# Altium PCB PCB.PcbDoc
Units mil, origin at the board's own origin, x right, y up, seen from the top; angles counter-clockwise.
Board outline 3105.66 x 1895.31 mil, 2 copper layers (Top Layer, Bottom Layer); 73 components, 42 nets, 191 pads, 114 vias.
Unrouted connection lines stored in the file: 1.
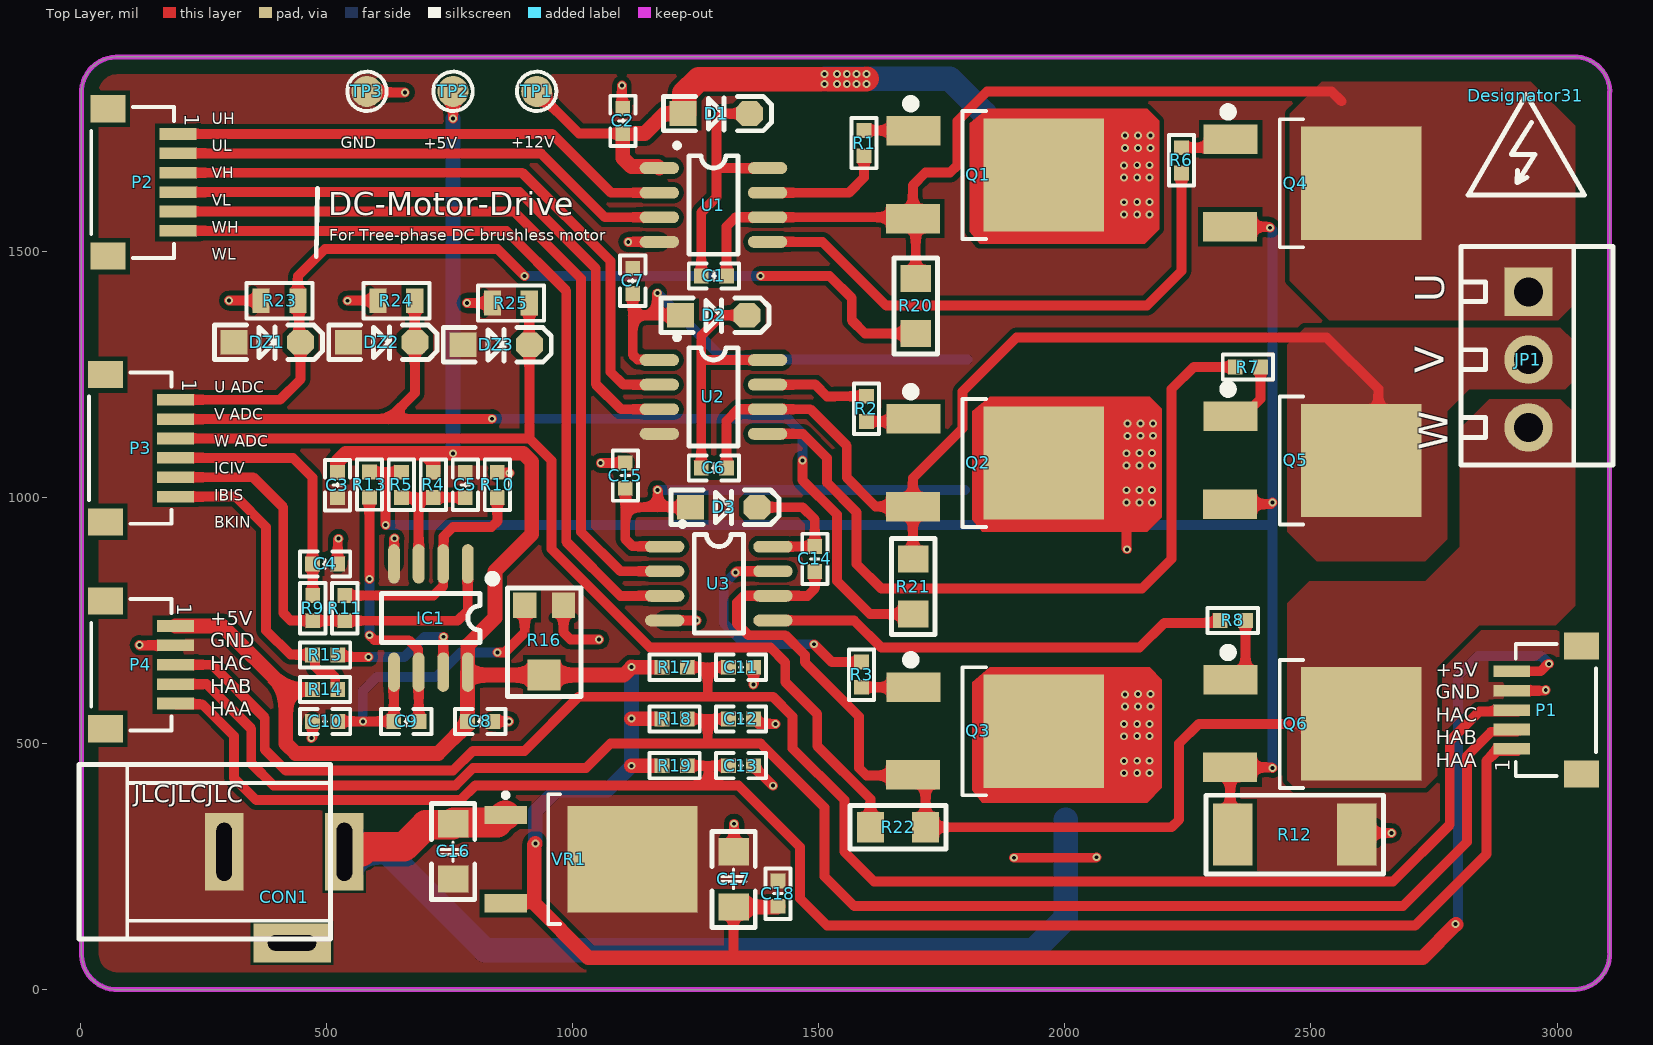
[diagram p0: Top Layer view]
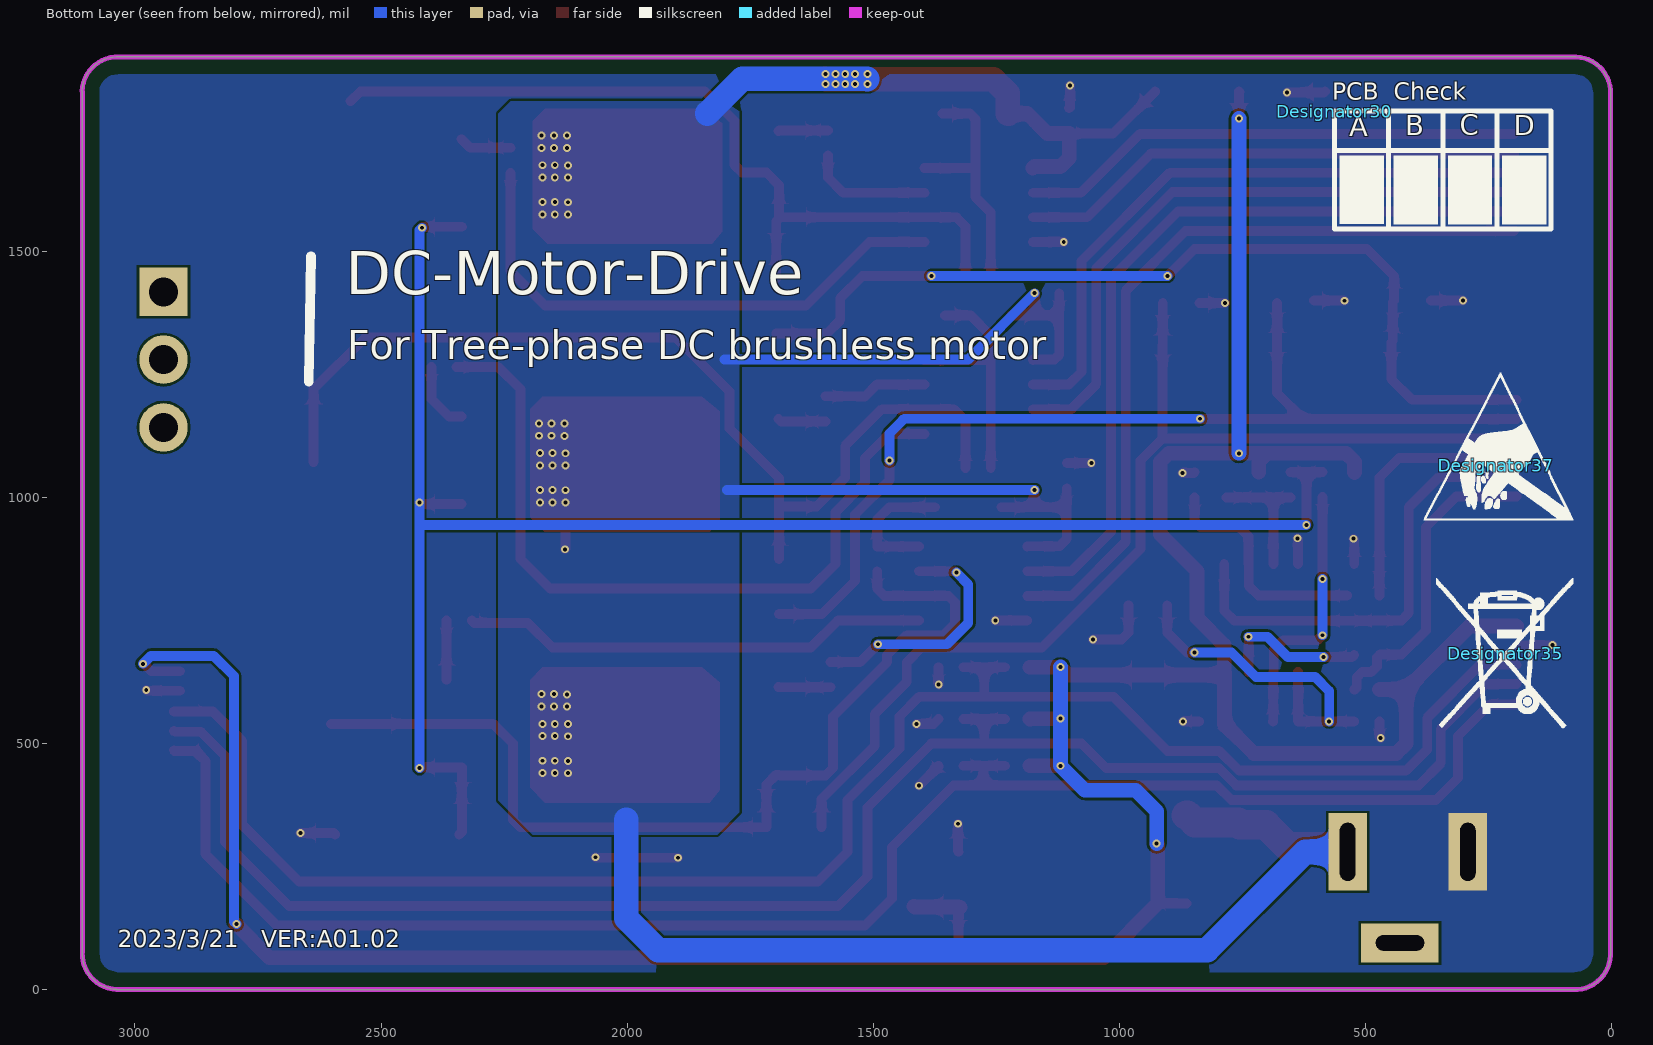
[diagram p1: Bottom Layer view, seen from below]

## Layer stack, top to bottom
Top Solder: solder mask 0.4, Solder Resist, Dk 3.5
Top Layer: signal copper 1.4
Dielectric 1: dielectric 12.6, FR-4, Dk 4.8
Bottom Layer: signal copper 1.4
Bottom Solder: solder mask 0.4, Solder Resist, Dk 3.5

## Board outline
2,69.84 2,1820 cw(c74.5,1822.5) 72,1895 3032.66,1895 3032.66,1895.16 cw(c3035.16,1822.66) 3107.66,1825.16 3107,1825.16 3107,75.34 3107.16,75.34 cw(c3034.66,72.84) 3037.16,0.34 3037.16,0 77.34,0 77.34,-0.16 cw(c74.84,72.34)

## Design rules (kind name [scope] priority, off if disabled: settings)
Clearance 覆铜与导线距离 [OnLayer('Top Layer') vs InPolygon] p1: gap=10 ignorepadtopadclearanceinfootprint=FALSE
Clearance 板边距 [OnLayer('Keep-Out Layer') vs InPolygon] p2: gap=30 ignorepadtopadclearanceinfootprint=FALSE
Clearance [All] p3: gap=5 ignorepadtopadclearanceinfootprint=FALSE
ComponentClearance [All] p1: gap=0 collisioncheckmode=3 verticalgap=0 showdistances=FALSE
DiffPairsRouting [All] p1: maxlimit=9 minlimit=9 mostfreqgap=9 toplayer_minwidth=4 toplayer_maxwidth=4 toplayer_prefwidth=4 bottomlayer_minwidth=4 bottomlayer_maxwidth=4 bottomlayer_prefwidth=4 maxuncoupledlength=500
FanoutControl Fanout_BGA [All] p1: bgadir=Out bgaviamode=Centered fanoutstyle=Auto fanoutdirection=Alternating viagrid=1 // Fanout_BGA (Default Rule)
HoleSize [All] p1: absolutevalues=TRUE maxlimit=10000 minlimit=8 maxpercent=80.000 minpercent=20.000
MinimumSolderMaskSliver [All] p1 off: minsoldermaskwidth=2
PlaneConnect [All] p1: planeconnectstyle=Direct reliefexpansion=20 reliefentries=4 reliefconductorwidth=10 reliefairgap=10
PolygonConnect [All] p1: connectstyle=Direct reliefconductorwidth=10 reliefentries=4 polygonreliefangle="90 Angle" airgapwidth=10
RoutingVias [All] p1: holewidth=8 width=16 viastyle="Through Hole" minholewidth=6 minwidth=12 maxholewidth=28 maxwidth=50
SilkToSilkClearance [All] p1: silktosilkclearance=0
SilkToSolderMaskClearance [IsPad] p1: minsilkscreentomaskgap=0 clearancetoexposedcopper=TRUE
SolderMaskExpansion [All] p1: expansion=3 istentingtop=FALSE
Width [All] p1: maxlimit=10000 minlimit=4 preferedwidth=20 minimp=50.000000 maximp=50.000000 favimp=50.000000
22 further rules are at their usual default settings.

## Classes and differential pairs
net class +5: +5
net class +12: +12
net class GND: GND
component class 原理图: C1 C2 C3 C4 C5 C6 C7 C8 C9 C10 C11 C12 C13 C14 C15 C16 C17 C18 CON1 D1 D2 D3 DZ1 DZ2 DZ3 IC1 JP1 P1 P2 P3 P4 Q1 Q2 Q3 Q4 Q5 Q6 R1 R2 R3 R4 R5 R6 R7 R8 R9 R10 R11 R12 R13 R14 R15 R16 R17 R18 R19 R20 R21 R22 R23 R24 R25 TP1 TP2 TP3 U1 U2 U3 VR1

## Components (designator, comment, footprint, x,y, rotation, side; value= is the part's Value field where it differs from the comment)
C1 "10uF" C0603_L 1287,1450 r180 top
C2 "10uF" C0603_L 1102,1765 r270 top
C3 "0.1uF" C0603_L 522,1025 r270 top
C4 "470nF" C0603_L 497,865 r180 top
C5 "100pF" C0603_L 782,1025.59 r90 top
C6 "10uF" C0603_L 1287,1060 r180 top
C7 "10uF" C0603_L 1122,1440 r270 top
C8 "0.1uF" C0603_L 812,545 r0 top
C9 "220nF" C0603_L 662,545 r0 top
C10 "0.1uF" C0603_L 497,545 r180 top
C11 "1nF" C0603_L 1342,655 r180 top
C12 "1nF" C0603_L 1342,550 r180 top
C13 "1nF" C0603_L 1342,455 r180 top
C14 "10uF" C0603_L 1492,875 r90 top
C15 "10uF" C0603_L 1107,1044.41 r270 top
C16 "10uF/50V" C1206_L 757,280 r90 top
C17 "10uF/50V" C1206_L 1327,225 r270 top
C18 "0.1uF/50v" C0603_L 1417,195 r270 top
CON1 "3.5*1.3" DC-005 292,280 r180 top
D1 "1N4148" SOD-123 1292,1780 r0 top
D2 "1N4148" SOD-123 1287,1370 r0 top
D3 "1N4148" SOD-123 1307,980 r0 top
Designator30 "Comment" Check 562.75,1785.14 r180 bottom
Designator31 "Comment" INO5 2936,1817 r0 top
Designator35 "Comment" ICO3 215,683 r180 bottom
Designator37 "Comment" ICO1 234,1065 r180 bottom
DZ1 "MMSZ4684" SOD-123 379.5,1315 r0 top
DZ2 "MMSZ4684" SOD-123 612,1315 r0 top
DZ3 "MMSZ4684" SOD-123 844.5,1310 r0 top
IC1 "LM358" SOP8_N 712,755 r270 top
JP1 "HDR-1X3" KF350-3P 2942,1280 r270 top
P1 "Header 5" "SH 1.0-LS-5P" 2979,568 r90 top
P2 "SH1.0 6P" "SH 1.0-WS-6P" 127,1640 r270 top
P3 "SH1.0 6P" "SH 1.0-WS-6P" 122,1100 r270 top
P4 "SH1.0 5P" "SH 1.0-LS-5P" 122,660 r270 top
Q1 "STB75NF75T4" TO252 1812,1655 r270 top
Q2 "STB75NF75T4" TO252 1812,1070 r270 top
Q3 "STB75NF75T4" TO252 1812,525 r270 top
Q4 "STB75NF75T4" TO252 2456.65,1638.31 r270 top
Q5 "STB75NF75T4" TO252 2456.65,1075 r270 top
Q6 "STB75NF75T4" TO252 2456.65,540 r270 top
R1 "10R" R0603_L 1592,1720 r90 top
R2 "10R" R0603_L 1597,1180 r270 top
R3 "10R" R0603_L 1587,640 r270 top
R4 "200K" R0603_L 717,1025.59 r270 top
R5 "10K" R0603_L 652,1025.59 r90 top
R6 "10R" R0603_L 2237,1685 r90 top
R7 "10R" R0603_L 2372,1265 r0 top
R8 "10R" R0603_L 2341.41,750 r0 top
R9 "10K" R0603_L 472,775 r270 top
R10 "10K" R0603_L 847,1025.59 r90 top
R11 "33K" R0603_L 537,775 r90 top
R12 "0.1R" R2512_M 2467,315 r180 top
R13 "10K" R0603_L 586.99,1026.19 r90 top
R14 "10K" R0603_L 497,610 r0 top
R15 "0R" R0603_L 497,680 r0 top
R16 "RPot" 3303W 942,710 r180 top value=10K
R17 "4.7K" R0603_L 1207,655 r180 top
R18 "4.7K" R0603_L 1207,550 r180 top
R19 "4.7K" R0603_L 1207,455 r180 top
R20 "100K" R1206_L 1697,1390 r270 top
R21 "100K" R1206_L 1692,820 r270 top
R22 "100K" R1206_L 1662,330 r180 top
R23 "5.1K" R0805_L 404.4,1400 r0 top
R24 "5.1K" R0805_L 642,1400 r0 top
R25 "5.1K" R0805_L 874.4,1395 r0 top
TP1 "TEST" "TEST 1.6" 927,1825 r0 top
TP2 "TEST" "TEST 1.6" 757,1825 r0 top
TP3 "TEST" "TEST 1.6" 582,1825 r0 top
U1 "IR2103S" SOP8 1177,1670.16 r0 top
U2 "IR2103S" SOP8 1177,1280.16 r0 top
U3 "IR2103S" SOP8 1188,901 r0 top
VR1 "L78M05ABDT-TR" TO-252 1037,265 r0 top

## Footprints (in the part's own frame and the unit in brackets; to place one, negate y for a bottom-side part, rotate by r counter-clockwise, add the part's x,y. Pads: shape width x height; smd on the part's side, far side on the other; paste and mask are expansions set on the pad)
3303W [mm] "3.5*3.1*1.5mm"
  rect 1.2x1.3 smd: 1(-1,-1.8) 3(1,-1.8)
  rect 1.7x1.6 smd: 2(0,1.8)
  silkscreen extent -1.9,-2.7 1.9,2.9, body extent -1.55,-2.05 1.55,2.05
C0603_L [mil] "无极性贴片电容"
  rect 30x30 smd: 1(-25.59,0) 2(25.59,0)
  silkscreen extent -51,-26 51,26, body extent -31,-16 32,16, height 33
C1206_L [mil] "无极性贴片电容"
  rect 55x62 smd: 1(-55.12,0) 2(57.09,0)
  silkscreen extent -96,-44 98,44, body extent -63,-32 63,32, height 50
Check [mil]
  silkscreen extent 0,-240 440,0
DC-005 [mm] "5.5*2.1mm，DC30V,2.5A                       淘宝ID:黄晶宝石"
  rect 2x4 hole 0.8 slot 3 at 90 deg: 1(-6.2,0) 2(0,0)
  rect 4x2 hole 0.8 slot 2.5 at 0 deg: 3(-3.5,4.7)
  silkscreen extent -5.48,-4.5 7.5,4.5, body extent -6.55,-4.5 7.5,4.8, height 11
ICO1 [mil]
  silkscreen extent -148,-111 156,187
ICO3 [mil]
  silkscreen extent -141,-152 137,152
INO5 [mil]
  silkscreen extent -117,-203 120,2
KF350-3P [mm] "可拼接端子/10A"
  rect 2.5x2.5 hole 1.5: 1(-3.5,0)
  round 2.5 hole 1.5: 2(0,0) 3(3.5,0)
  silkscreen extent -5.84,-3.48 5.44,4.37, body extent -5.65,-3.3 5.25,4.2, height 10.1
R0603_L [mil] "1/10W贴片电阻"
  rect 30x30 smd: 1(-25.59,0) 2(25.59,0)
  silkscreen extent -51,-26 51,26, body extent -31,-16 32,16, height 16
R0805_L [mil] "1/8W贴片电阻"
  rect 35x50 smd: 1(-37.4,0) 2(37.4,0)
  silkscreen extent -67,-36 67,36, body extent -39,-25 39,25, height 20
R1206_L [mil] "1/4W贴片电阻"
  rect 55x62 smd: 1(-55.12,0) 2(57.09,0)
  silkscreen extent -96,-44 98,44, body extent -63,-31 63,32, height 22
R2512_M [mm] "1W贴片电阻                 淘宝ID:黄晶宝石"
  rect 2.032x3.2 smd: 1(-3.2,0) 2(3.2,0)
  silkscreen extent -4.57,-2.03 4.57,2.03, body extent -3.2,-1.6 3.2,1.6, height 0.55
"SH 1.0-LS-5P" [mm]
  rect 1.4x1.8 smd: 0(-3.3,-1.8) 0(3.3,-1.8)
  rect 0.6x1.9 smd: 1(-2,1.8) 2(-1,1.8) 3(0,1.8) 4(1,1.8) 5(2,1.8)
  silkscreen extent -3.4,-2.54 3.4,1.6, body extent -3.5,-2.54 3.5,2.41, height 2.9
"SH 1.0-WS-6P" [mm]
  rect 1.4x1.8 smd: 0(-3.8,-1.8) 0(3.8,-1.8)
  rect 0.6x1.9 smd: 1(-2.5,1.8) 2(-1.5,1.8) 3(-0.5,1.8) 4(0.5,1.8) 5(1.5,1.8) 6(2.5,1.8)
  silkscreen extent -3.9,-2.67 3.9,1.6, body extent -4,-2.73 4,2.22, height 2.9
SOD-123 [mil] "2.7x1.6X1.1mm（长宽高，不包括引脚） 淘宝ID:黄晶宝石"
  rect 55x50 smd: 1(-67.5,0)
  oct 55x50 smd: 2(67.5,0)
  silkscreen extent -108,-35 112,35, body extent -73,-32 73,31, height 50
SOP8 [mil]
  oval 80x24 smd: 1(-1,-1) 2(-1,-51) 3(-1,-101) 4(-1,-151) 5(219,-151) 6(219,-101) 7(219,-51) 8(219,-1)
  silkscreen extent 30,-176 159,50, body extent -12,-173 225,24, height 75
SOP8_N [mil] "5*6*1.8mm（长宽高）"
  oval 80x24 smd: 1(-110,75) 2(-110,25) 3(-110,-25) 4(-110,-75) 5(110,-75) 6(110,-25) 7(110,25) 8(110,75)
  silkscreen extent -86,-100 50,131, body extent -118,-98 118,98, height 75
"TEST 1.6" [mm] "测试点1.6mm"
  round 1.6 smd paste-1.6: 1(0,0)
  silkscreen extent -1.01,-1.02 1.02,1.02
TO252 [mil] "252晶体管"
  rect 60x110 smd: 1(-89.55,-119.77) 3(88.45,-120.77)
  rect 230x245 smd: 2(0,145.35)
  silkscreen extent -153,-133 130,28, body extent -133,-155 133,243, height 98
TO-252 [mm]
  rect 2.2x0.95 smd: 1(-4.4,2.28) 3(-4.4,-2.28)
  rect 6.7x5.5 smd: 2(2.15,0)
  silkscreen extent -4.52,-3.35 -1.6,3.43, body extent -5.08,-3.37 5.02,3.37, height 2.5

## Part data
C1 C2 C3 C4 C5 C6 C7 C8 C9 C10 C11 C12 C13 C14 C15: library part C, "贴片电容", BOM名称=无极性贴片电容, 联系卖家，免费查找封装=唯一出售店铺网址https://shop463601444.taobao.com
C16 C17: library part Cap, "C89632", LC=C1591, parm=100V
C18: library part Cap
CON1: library part P-DC, "低压电源接口", BOM名称=DC电源接口, 联系卖家，免费技术支持=唯一出售店铺网址https://shop463601444.taobao.com
D1 D2 D3: library part "SOD-323 1N4148WS T4", "二极管", Package=SOD-323, SuppliersPartNumber=C2128, ComponentLink1Description=供应商链接, ComponentLink1URL=http://www.szlcsc.com/product/details_2485.html, Supplier=LC
DZ1 DZ2 DZ3: library part 1N4619, "3V/0.5W稳压管", BOM名称=3V/0.5W稳压管, 联系卖家，免费查找封装=唯一出售店铺网址https://shop463601444.taobao.com
IC1: "双路运放", BOM名称=双路运放, 联系卖家，免费查找封装=唯一出售店铺网址https://shop463601444.taobao.com
JP1: library part "Header 3", "3P接插件", BOM名称=3P接插件, 学习资源=www.ooocke.com, 版权归属=源创客
P1: "Header, 5-Pin", LatestRevisionDate=17-Jul-2002, LatestRevisionNote="Re-released for DXP Platform.", Publisher="Altium Limited"
P2 P3: library part "Header 6", "Header, 6-Pin", LatestRevisionDate=17-Jul-2002, LatestRevisionNote="Re-released for DXP Platform.", Publisher="Altium Limited"
P4: library part "Header 5", "Header, 5-Pin", LatestRevisionDate=17-Jul-2002, LatestRevisionNote="Re-released for DXP Platform.", Publisher="Altium Limited"
Q1 Q2 Q3 Q4 Q5 Q6: library part IRFR024NTRPBF, "N沟道 55V/17A", BOM名称=N沟场效应管, 参数=55V,17A,75mΩ@10V, 封装库来自淘宝卖家 ID：黄晶宝石=其他店铺购入均为盗版，不享受售后技术支持服务，请立即申请退款, 联系卖家，免费查找封装=唯一出售店铺网址https://shop463601444.taobao.com
R1 R2 R3 R4 R5 R6 R7 R8 R9 R10 R11 R12 R13 R14 R15 R17 R18 R19 R20 R21 R22 R23 R24 R25: library part R, "贴片电阻", BOM名称=贴片电阻, 封装库来自淘宝卖家ID：黄晶宝石=其他店铺购入均为盗版假冒封装库，请立即申请退款, 联系卖家，免费查找封装=唯一出售店铺网址https://shop463601444.taobao.com
R16: "Potentiometer", LatestRevisionDate=17-Jul-2002, LatestRevisionNote="Re-released for DXP Platform.", PackageDescription="Variable Resistor, Thru-Hole; 3 Leads", PackageReference=VR5, Published=8-Jun-2000, Publisher="Altium Limited", Set Position=0.5, Sim Note="Enter the Resistance value and the set point into parameter fields."
TP1 TP2 TP3: "测试点", BOM名称=测试点, 联系卖家，免费查找封装=唯一出售店铺网址https://shop463601444.taobao.com
U1 U2 U3: "栅极驱动，SOP-8"
VR1: library part "TO-252-2 L78M05ABDT-TR", "低压差线性稳压(LDO)", Package=TO-252-2, SuppliersPartNumber=C58069, ComponentLink1Description=供应商链接, ComponentLink1URL=http://www.szlcsc.com/product/details_59107.html, Supplier=LC

## Via types
v1: diameter 16, hole 8, Top Layer to Bottom Layer, 114 vias

## Nets (pads, with @x,y where several pads share a name; then routed paths per layer and width w, separated by ;. In a path a pad name is that pad's centre, name@x,y a point inside that pad or via, vN(x,y) a via of type N, cw(c..) or ccw(c..) an arc to the next point about the centre after c; other vN are vias at no path point)
+5: C3.1 C8.1 C17.2 C18.2 IC1.8 P1.5 P4.1 R4.1 R14.1 R16.2 R17.2 R18.2 R19.2 TP2.1 VR1.3 | length 6794.6
  Top Layer w20: v1(757,1770) 757,1821.54 755.27,1823.27 TP2.1 ; VR1.3 921.76,175.24 ; C17.2 1327,70 1332,65 ; P1.5 2966.74,646.74 2982,662 v1(2984,662)
  Top Layer w30: P4.1 288.26,738.74 417,610 ; R14.1 417,610 ; C3.1 522,1072.11 539.57,1089.68 699.43,1089.68 ; R4.1 716.99,1072.12 699.43,1089.68 ; v1(924.14,296.74) 921.76,294.37 921.76,175.24 1032,65 1332,65 2727,65 v1@2794.5,132.5 ; v1(1119.73,454.79) 1119.94,455 R19.2 ; v1(1119.73,550.57) 1180.85,550.57 R18.2 ; v1(1119.73,655.37) 1103.5,639.13 R16.2 790,639.13 787,642.13 IC1.8 ; v1@1121.38,655 R17.2 ; C17.2@1323.11,167.52 C17.2@1326.61,167.52 ; C17.2 1415.5,167.91 C18.2 ; 417,610 417,500 437,480 727,480 786.41,539.41 C8.1 786.41,644.41 IC1.8 ; 699.43,1089.68 v1(757,1089.68) 899.43,1089.68 917,1072.11 917,925 842,850 842,755 787,700 IC1.8
  Bottom Layer w20: v1(2794,133) 2799.01,138.01 2799.01,637.01 2840,678 2968,678 v1(2984,662)
  Bottom Layer w30: v1(757,1089.68) v1(757,1770) ; v1(924.14,296.74) 924.14,362.14 967,405 1069.94,405 v1(1119.73,454.79) v1(1119.73,550.57) v1(1119.73,655.37)
+12: C2.2 C7.2 C15.2 C16.2 CON1.1 D1.1 D2.1 D3.1 Q1.2 Q2.2 Q3.2 TP1.1 U1.1 U2.1 U3.1 VR1.1 | length 5479.2
  Top Layer w20: TP1.1 1012.59,1739.41 C2.2 ; C15.2 1107,980 ; C7.2 1122,1370 ; 1166.71,1759.71 1172,1765 ; v1(1172,1015) 1173.25,1013.75 1173.25,980 ; v1(1172,1415) 1170.75,1413.75 1170.75,1370 ; U2.1 1175.23,1279.92 1132,1279.92 1122,1289.93 1122,1370 ; U3.1 1186.23,900.77 1121.23,900.77 1107,915 1107,980 ; D2.1 1170.75,1370 ; D3.1 1173.25,980 ; v1(2125.07,989.72) 2125.07,896.15 v1(2126.57,894.66) ; 1107,980 1173.25,980 ; 1122,1370 1170.75,1370
  Top Layer w30: 1166.71,1759.71 1146.41,1739.41 C2.2 1102,1689.73 1119.57,1672.16 1173,1672.16 U1.1 ; 1172,1765 1187,1780 D1.1
  Top Layer w50: D1.1 1227,1780 1227,1820.71 1256.29,1850 1596.64,1850 1597.36,1850.71
  Top Layer w60: CON1.1 CON1.1@545.46,270.63 ; CON1.1@571.09,280 571.09,280.63 580.46,290 657,290 701.59,334.59 756,334.59 757,335.59 C16.2 757,338.59 758,339.59 846.59,339.59 861.76,354.76 VR1.1
  Bottom Layer w20: v1(1172,1015) 1797,1015 ; v1(1172,1415) 1307,1280 1802,1280
  Bottom Layer w50: CON1.1@528.06,271.97 CON1.1 622,280 822,80 1937,80 2002,145 2002,345 ; 1512,1850 1512.71,1850.71 1766.29,1850.71 1837,1780
  other v1: 2120.07,439.72 2147,440 2172,440 2120.07,464.72 2147,465 2172,465 2120.07,514.72 2147,515 2172,515 2120.07,539.72 2147,540 2172,540 2122,575 2148.93,575.28 2173.93,575.28 2122,600 2148.93,600.28 2173.93,600.28 2152,990 2177,990 2125.07,1014.72 2152,1015 2177,1015 2125.07,1064.72 2152,1065 2177,1065 2125.07,1089.72 2152,1090 2177,1090 2127,1125 2153.93,1125.28 2178.93,1125.28 2127,1150 2153.93,1150.28 2178.93,1150.28 2120.07,1574.72 2147,1575 2172,1575 2120.07,1599.72 2147,1600 2172,1600 2120.07,1649.72 2147,1650 2172,1650 2120.07,1674.72 2147,1675 2172,1675 2122,1710 2148.93,1710.28 2173.93,1710.28 2122,1735 2148.93,1735.28 2173.93,1735.28 1512,1840 1537,1840 1557,1840 1577,1840 1597,1840 1512,1860 1537,1860 1557,1860 1577,1860 1597,1860
BKIN: P3.6 R14.2 R15.1 | length 638.2
  Top Layer w20: P3.6 315.43,1001.57 377,940 377,730 426.41,680.59 470.81,680.59 R15.1 476.41,675 476.41,656.72 488.12,645 507,645 517.59,634.41 517.59,613.82 522,609.41 R14.2
GND: C2.1 C3.2 C4.1 C5.2 C7.1 C8.2 C10.2 C11.1 C12.1 C13.1 C15.1 C16.1 C17.1 C18.1 CON1.2 DZ1.1 DZ2.1 DZ3.1 IC1.4 P1.4 P4.2 R10.2 R12.1 R16.1 R23.1 R24.1 R25.1 TP3.1 U1.4 U2.4 U3.4 VR1.2 | length 1394.4
  Top Layer w20: v1(119.74,700.16) 120.53,699.37 P4.2 ; v1(302,1400) R23.1 ; v1(469,511) 471.41,513.41 C10.2 ; C4.1 522.59,914.54 v1(524.23,916.18) ; v1(542.68,1399.6) 543.08,1400 R24.1 ; TP3.1 584,1823 v1(659,1823) ; IC1.4 637,915.78 v1(638.19,916.96) ; v1(785,1395) R25.1 ; C8.2 v1(871,545) ; R10.2 848.18,1050 v1(872,1050) ; R16.1 981.37,725.63 995.55,711.45 v1(1053.47,711.45) ; v1(1057,1070) C15.1 ; v1(1100,1837) 1100,1792.59 C2.1 ; v1(1113,1519) 1113.16,1519.16 U1.4 ; U3.4 v1(1252,750) ; C17.1 1328,281.12 v1(1328,337) ; v1(1366.99,620) 1367.59,620.61 C11.1 ; C13.1 1367.59,453.54 v1(1406.8,414.34) ; C12.1 1377.6,540 v1(1412,540) ; v1(1897,268) 2063,268 v1(2064,269) ; R12.1 2595.99,318 v1(2664,318) ; P1.4 2975.59,607.37 v1(2977.12,608.9)
HALL_A: C13.2 P1.1 P4.5 R19.1 | length 3434.7
  Top Layer w20: P4.5 194.67,579.45 247.55,579.45 312,515 312,430 357,385 772,385 802,415 1276.12,415 ; R19.1 1274.5,455 ; C13.2 1274.5,455 ; P1.1@2921.13,486.26 2919.87,485 2877,485 2857,465 2857,275 2712,130 1517,130 1462,185 1462,290 1337,415 1276.12,415 ; 1274.5,455 1276.12,453.38 1276.12,415
HALL_B: C12.2 P1.2 P4.4 R18.1 | length 3493
  Top Layer w20: P4.4 256.37,620.63 266.97,610.03 347,530 347,460 392,415 762.36,415 797.36,450 1027,450 1077,500 1277,500 ; R18.1 1274.5,550 ; C12.2 1274.5,550 ; P1.2@2921.14,525.63 2919.33,523.82 2865.82,523.82 2817,475 2817,300 2687,170 1572,170 1512,230 1512,370 1382,500 1277,500 ; 1274.5,550 1274.5,502.5 1277,500
HALL_C: C11.2 P1.3 P4.3 R17.1 | length 3559.8
  Top Layer w20: P4.3 267,660 374.5,552.5 374.5,487.5 417,445 757,445 797,485 902,485 1012,595 1277,595 ; R17.1 1274.5,655 ; C11.2 1274.5,655 ; P1.3@2921.14,565 2842,565 2782,505 2782,335 2667,220 1612,220 1552,280 1552,385 1447,490 1447,555 1407,595 1277,595 ; 1274.5,655 1274.5,597.5 1277,595
IBIS: IC1.1 P3.5 R9.2 R11.1 | length 955
  Top Layer w20: P3.5 351.05,1040.95 412,980 412,765 427,750 482,750 R9.2@482.59,749.41 ; R9.2 R9.2@482.59,749.41 ; IC1.1 787,770 766.41,749.41 R11.1 R9.2@482.59,749.41
ICIV: C4.2 P3.4 R9.1 | length 535.2
  Top Layer w20: P3.4 431.68,1080.32 471.41,1040.59 C4.2 471.7,864.71 471.7,800.89 R9.1
ISEN: Q4.3 Q5.3 Q6.3 R5.2 R12.2 R13.2 | length 3472.1
  Top Layer w20: R13.2 587.29,1051.48 619.5,1051.48 ; v1(620.17,943.94) 619.5,944.61 619.5,1051.48 ; R5.2 651.7,1051.48 619.5,1051.48 ; Q4.3 2415.19,1549.86 v1(2417.07,1547.98) ; Q5.3@2336.23,986.55 2418.55,986.55 v1(2422,990) ; R12.2 2335.87,320.14 Q6.3 2420.45,451.55 v1(2422,450)
  Bottom Layer w20: v1(620.17,943.94) 2415.94,943.94 2422,950 ; v1(2417.07,1547.98) 2422,1543.05 v1(2422,990) 2422,950 ; v1(2422,450) 2422,950
MCU_UH: P2.1 U1.2 | length 1027.5
  Top Layer w20: P2.1 958.57,1738.43 1077.84,1619.16 U1.2
MCU_UL: P2.2 U1.3 | length 1031.9
  Top Layer w20: P2.2 936.05,1699.05 1065.95,1569.16 U1.3
MCU_VH: P2.3 U2.2 | length 1288.5
  Top Layer w20: P2.3 897.67,1659.68 1077,1480.36 1077,1255 1102.84,1229.16 U2.2
MCU_VL: P2.4 U2.3 | length 1298.5
  Top Layer w20: P2.4 891.68,1620.32 1047,1465 1047,1230 1097.84,1179.16 U2.3
MCU_WH: P2.5 U3.2 | length 1593.6
  Top Layer w20: P2.5 881.05,1580.95 1017,1445 1017,930 1097,850 U3.2
MCU_WL: P2.6 U3.3 | length 1595.1
  Top Layer w20: P2.6 865.43,1541.57 987,1420 987,910 1097,800 U3.3
MU: C1.1 JP1.1 Q1.3 Q4.2 R20.1 U1.6 | length 1690.3
  Top Layer w20: C1.1 1312.59,1550.59 1331.16,1569.16 U1.6 1688.62,1569.16 Q1.3 ; R20.1 1697,1560.78 Q1.3 ; 2562,1805 2542,1825 1842,1825 1782,1765 1782,1675 1767,1660 1717,1660 1691.23,1634.23 Q1.3
MV: C6.1 JP1.2 Q2.3 Q5.2 R21.1 U2.6 | length 2068.3
  Top Layer w20: C6.1 1312.59,1155.59 1336.16,1179.16 U2.6 1482.84,1179.16 1557,1105 1557,1040 1607.03,989.97 1615.45,981.55 Q2.3 ; R21.1 1691.23,875.89 Q2.3 ; Q5.2@2637,1071.65 2637,1220 2532,1325 1902,1325 1792,1215 1792,1140 1691.23,1039.23 Q2.3
MW: C14.1 JP1.3 Q3.3 Q6.2 R22.1 U3.6 | length 1987.4
  Top Layer w20: C14.1 1492,815 1477,800 U3.6 1347,800 1333.64,786.64 1333.64,743.36 1357,720 1432,720 1472,680 1472,665 1582,555 1582,450 1597,435 1689.68,435 Q3.3 1697.12,436.55 1717.12,416.55 R22.1 2217,330 2232,345 2232,500 2272,540 Q6.2
NetC1_2: C1.2 D1.2 U1.8 | length 508.2
  Top Layer w20: C1.2 1261.41,1579.41 1292,1610 1292,1670 ; D1.2 1303.72,1780 1292,1768.28 1292,1670 ; U1.8@1396.42,1669.58 U1.8 1292.84,1669.16 1292,1670
NetC5_1: C5.1 IC1.3 R4.2 R5.1 | length 265
  Top Layer w20: R5.1 687,1000 ; IC1.3 687,1000 ; C5.1 687,1000
NetC6_2: C6.2 D2.2 U2.8 | length 515.3
  Top Layer w20: C6.2 1261.41,1280 ; D2.2 1302,1370 1261.41,1329.41 1261.41,1280 ; U2.8@1396.72,1279.87 U2.8 1262.26,1279.16 1261.41,1280
NetC9_1: C9.1 C10.1 IC1.5 R16.3 | length 709.2
  Top Layer w20: C10.1 v1(573.68,545) C9.1 636.7,545.29 636.7,644.7 IC1.5 ; v1(847,685) 862,685 902.63,725.63 R16.3
  Bottom Layer w20: v1(573.68,545) 573.68,606.68 602,635 722,635 772,685 v1(847,685)
NetC9_2: C9.2 IC1.6 R13.1 | length 538.5
  Top Layer w20: v1(587,720) 597,710 667,710 686.23,690.77 686.23,645.77 IC1.6 687.29,644.71 687.29,545.29 C9.2 ; R13.1 587,834.45 v1(587.28,834.17)
  Bottom Layer w20: v1(587,720) 587.28,720.28 v1(587.28,834.17)
NetC14_2: C14.2 D3.2 U3.8 | length 267.5
  Top Layer w20: D3.2 1467,980 1492,955 C14.2 1491.71,900.29 1407.29,900.29 U3.8
NetIC1_2: IC1.2 R10.1 R11.2 | length 479.5
  Top Layer w20: R11.2 717.59,800.59 737,820 IC1.2 737.77,865.77 737.77,920.77 757,940 835.28,940 847,951.72 R10.1
NetIC1_7: IC1.7 R15.2 | length 306.4
  Top Layer w20: R15.2 526.66,675.92 v1(585.12,675.92) ; IC1.7 737,716 v1(737.96,716.97)
  Bottom Layer w20: v1(585.12,675.92) 657.92,675.92 698.97,716.97 v1(737.96,716.97)
NetQ1_1: Q1.1 R1.2 | length 100.7
  Top Layer w20: R1.2 1691.19,1745.59 Q1.1
NetQ2_1: Q2.1 R2.2 | length 97.4
  Top Layer w20: R2.2 1687.09,1154.41 Q2.1
NetQ3_1: Q3.1 R3.2 | length 105.3
  Top Layer w20: R3.2 1692.09,614.41 Q3.1
NetQ4_1: Q4.1 R6.2 | length 107
  Top Layer w20: R6.2 2319.6,1710.59 Q4.1
NetQ5_1: Q5.1 R7.2 | length 140.2
  Top Layer w20: Q5.1 2361.87,1164.55 2397.59,1200.26 R7.2
NetQ6_1: Q6.1 R8.2 | length 120.5
  Top Layer w20: Q6.1@2366.87,629.55 2367,629.68 R8.2
U_ADC: DZ1.2 P3.1 R20.2 R23.2 | length 1859
  Top Layer w20: P3.1 405.43,1198.43 447,1240 DZ1.2 444.4,1317.6 444.4,1397.4 R23.2 441.8,1449.8 497,1505 847,1505 v1(902,1450) ; v1(1382,1450) 1522,1450 1567,1405 1567,1360 1594.09,1332.91 R20.2
  Bottom Layer w20: v1(902,1450) v1(1382,1450)
UH: R1.1 U1.7 | length 253.2
  Top Layer w20: U1.7 1561.16,1619.16 1592,1650 R1.1
UL: R6.1 U1.5 | length 1122.9
  Top Layer w20: U1.5 1507.84,1519.16 1516.97,1510.03 1637,1390 2167,1390 2237,1460 R6.1
V_ADC: DZ2.2 P3.2 R21.2 R24.2 | length 2056.7
  Top Layer w20: P3.2 626.05,1159.05 ; R24.2@679.4,1395 679.45,1394.95 679.45,1315.05 DZ2.2 679.5,1212.5 626.05,1159.05 ; v1(836.33,1159.83) 835.55,1159.05 626.05,1159.05 ; v1(1467,1075) 1467,1035 1537,965 1537,830 1604.09,762.91 R21.2
  Bottom Layer w20: v1(836.33,1159.83) 1437.17,1159.83 1446.97,1150.03 1467,1130 v1(1467,1075)
VH: R2.1 U2.7 | length 211.2
  Top Layer w20: U2.7 1492.84,1229.16 1517,1205 1532,1205 1532.59,1205.59 R2.1
VL: R7.1 U2.5 | length 1559.8
  Top Layer w20: U2.5 1467.84,1129.16 1517,1080 1517,1030 1577,970 1577,865 1627,815 2157,815 2217,875 2217,1220 2262,1265 R7.1
W_ADC: DZ3.2 P3.3 R22.2 R25.2 | length 2214.9
  Top Layer w20: P3.3 912.32,1119.68 957,1075 957,895 1157,695 1402,695 1432,665 1432,625 1497,560 1497,495 1604.91,387.09 R22.2 ; R25.2 911.9,1394.9 911.9,1310.1 DZ3.2 912,1119.68
WH: R3.1 U3.7 | length 502.1
  Top Layer w20: v1(1331.17,847.17) 1334,850 U3.7 ; v1(1490.29,701.71) 1526.41,665.59 R3.1
  Bottom Layer w20: v1(1331.17,847.17) 1307,823 1307,745 1350.29,701.71 v1(1490.29,701.71)
WL: R8.1 U3.5 | length 954.4
  Top Layer w20: U3.5 1572,750 1627,695 2152,695 2202,745 2310.82,745 R8.1
pads on no net: CON1.3 P1.0 P2.0 P3.0 P4.0

## Polygon pours and split planes (outlines as drawn)
GND on Bottom Layer "GND_L02_P004" (solid, remove dead copper, pour order 4): -329,1765 73,2167 73,2241 3115,2241 3479,1877 3469,1867 3469,-17 3134,-17 2569,-582 -366,-582
+12 on Bottom Layer "+12_L02_P000" (solid, remove dead copper, pour order 0): 1787,1795 1772,1785 1772,360 1817,315 2192,315 2262,385 2262,1780 2237,1805 1802.83,1805.72
GND on Top Layer "GND_L01_P006" (solid, remove dead copper, pour order 6): -251,47 105,-309 3177,-309 3177,1901 3069,2009 -132,2009
MW on Top Layer "MW_L01_P003" (solid, remove dead copper, pour order 3): 2452,425 2467,410 2732,410 2757,435 2757,655 2842,740 2997,740 3037,780 3037,1170 3007,1200 2862,1200 2802,1140 2802,900 2732,830 2497,830 2452,785
MV on Top Layer "MV_L01_P002" (solid, remove dead copper, pour order 2): 2452,930 2512,870 2732,870 2777,915 2777,1175 2822,1220 3017,1220 3037,1240 3032,1245 3032,1320 3007,1345 2487,1345 2452,1310
MU on Top Layer "MU_L01_P001" (solid, remove dead copper, pour order 1): 2457,1440 2537,1360 3002,1360 3037,1395 3037,1755 2947,1845 2522,1845 2457,1780

## Keep-outs
Keep-Out Layer:
  lines w10: 2,69.84 2,1820 cw(c74.5,1822.5) 72,1895 3032.66,1895 ; 2.34,69.84 ccw(c74.84,72.34) 77.34,-0.16 ; 77.34,0 3037.16,0 ; 3032.66,1895.16 cw(c3035.16,1822.66) 3107.66,1825.16 ; 3037.16,0.34 ccw(c3034.66,72.84) 3107.16,75.34 ; 3107,75.34 3107,1825.16

## Other copper
Top Layer:
  region net +12: 1812,405 1832,380 2167,380 2197,410 2197,630 2172,655 1847,655 1812,625 1812,440
  region net +12: 1812,955 1832,930 2167,930 2197,960 2197,1180 2172,1205 1847,1205 1812,1175 1812,990
  region net +12: 1807,1540 1827,1515 2162,1515 2192,1545 2192,1765 2167,1790 1842,1790 1807,1760 1807,1575

## Silkscreen, mask and mechanical layers (free items; w line width, h text height)
Top Overlay:
  lines w10: 479,1489 481.73,1628.04
  text "UH" at 267,1750 h40
  text "+12V" at 875,1702 h40
  text "GND" at 529,1701 h40
  text "+5V" at 697,1700 h40
  text "UL" at 267,1695 h40
  text "VH" at 267,1640 h40
  text "VL" at 267,1585 h40
  text "DC-Motor-Drive" at 503,1557.89 h80
  text "WH" at 267,1530 h40
  text "For Tree-phase DC brushless motor" at 505,1513.01 h40
  text "WL" at 267,1475 h40
  text "U" at 2790,1396.47 h100 r90
  text "V" at 2789,1252.17 h100 r90
  text "U ADC" at 272,1205 h40
  text "V ADC" at 272,1150 h40
  text "W" at 2797,1096.01 h100 r90
  text "W ADC" at 272,1095 h40
  text "ICIV" at 272,1040 h40
  text "IBIS" at 272,985 h40
  text "BKIN" at 272,930 h40
  text "+5V" at 263.88,730 h50
  text "GND" at 263.88,685 h50
  text "HAC" at 263.88,638.6 h50
  text "+5V" at 2753.88,626 h50
  text "HAB" at 263.88,592.21 h50
  text "GND" at 2753.88,581 h50
  text "HAA" at 263.88,545.81 h50
  text "HAC" at 2753.88,534.6 h50
  text "HAB" at 2753.88,488.21 h50
  text "HAA" at 2753.88,441.81 h50
  text "JLCJLCJLC" at 107.89,368.67 h60
Bottom Overlay:
  lines w20: 2642,1490 2647,1235
  text "DC-Motor-Drive" at 2572,1383.67 h150
  text "For Tree-phase DC brushless motor" at 2569,1261.76 h100
  text "2023/3/21   VER:A01.02" at 3034.71,73.51 h60
Drill Drawing:
  lines w10: -86.71,2555.94 -20.04,2555.94 -20.04,2622.61 -86.71,2622.61 -86.71,2555.94 ; -86.71,2705.94 -53.38,2722.61 -20.04,2705.94 -36.71,2739.27 -20.04,2772.61 -53.38,2755.94 -86.71,2772.61 -70.04,2739.27 -86.71,2705.94 ; -86.71,2922.61 -20.04,2922.61 -53.38,2855.94 -86.71,2922.61 ; -86.71,3022.61 -70.04,3022.61 -53.38,3005.94 -36.71,3022.61 -20.04,3022.61 -36.71,3039.27 -20.04,3055.94 -36.71,3055.94 -53.38,3072.61 -70.04,3055.94 -86.71,3055.94 -70.04,3039.27 -86.71,3022.61
  lines w15: -146.5,2510.94 13191.75,2510.94 ; -146.5,3110.94 13191.75,3110.94 ; 404.38,2360.94 404.38,3260.94 ; 994.22,2360.94 994.22,3260.94 ; 2083.9,2360.94 2083.9,3260.94 ; 2589.78,2360.94 2589.78,3260.94 ; 3323.58,2360.94 3323.58,3260.94 ; 4823.13,2360.94 4823.13,3260.94 ; 5412.98,2360.94 5412.98,3260.94 ; 6158.78,2360.94 6158.78,3260.94 ; 7148.49,2360.94 7148.49,3260.94 ; 8002.26,2360.94 8002.26,3260.94 ; 9335.86,2360.94 9335.86,3260.94 ; 10669.47,2360.94 10669.47,3260.94 ; 11789.15,2360.94 11789.15,3260.94 ; -146.5,2360.94 13191.75,2360.94 13191.75,3260.94 -146.5,3260.94 -146.5,2360.94
  text "Symbol" at -56.5,3155.94 h72
  text "Count" at 449.38,3155.94 h72
  text "Hole Size" at 1039.22,3155.94 h72
  text "Plated" at 2128.9,3155.94 h72
  text "Hole Type" at 2634.78,3155.94 h72
  text "Drill Layer Pair" at 3368.58,3155.94 h72
  text "Via/Pad" at 4868.13,3155.94 h72
  text "Pad Shape" at 5457.98,3155.94 h72
  text "Template" at 6203.78,3155.94 h72
  text "Description" at 7193.49,3155.94 h72
  text "Hole Tolerance (+)" at 8047.26,3155.94 h72
  text "Hole Tolerance (-)" at 9380.86,3155.94 h72
  text "Hole Length" at 10714.47,3155.94 h72
  text "Routed Path Length" at 11834.15,3155.94 h72
  text "1" at 449.38,3005.94 h60
  text "31.50mil (0.800mm)" at 1039.22,3005.94 h60
  text "PTH" at 2128.9,3005.94 h60
  text "Slot" at 2634.78,3005.94 h60
  text "Top Layer - Bottom Layer" at 3368.58,3005.94 h60
  text "Pad" at 4868.13,3005.94 h60
  text "Rectangle" at 5457.98,3005.94 h60
  text "r400_200h80_250" at 6203.78,3005.94 h60
  text "98.43mil (2.500mm)" at 10714.47,3005.94 h60
  text "66.93mil (1.700mm)" at 11834.15,3005.94 h60
  text "2" at 449.38,2855.94 h60
  text "31.50mil (0.800mm)" at 1039.22,2855.94 h60
  text "PTH" at 2128.9,2855.94 h60
  text "Slot" at 2634.78,2855.94 h60
  text "Top Layer - Bottom Layer" at 3368.58,2855.94 h60
  text "Pad" at 4868.13,2855.94 h60
  text "Rectangle" at 5457.98,2855.94 h60
  text "(Mixed)" at 6203.78,2855.94 h60
  text "118.11mil (3.000mm)" at 10714.47,2855.94 h60
  text "86.61mil (2.200mm)" at 11834.15,2855.94 h60
  text "3" at 449.38,2705.94 h60
  text "59.06mil (1.500mm)" at 1039.22,2705.94 h60
  text "PTH" at 2128.9,2705.94 h60
  text "Round" at 2634.78,2705.94 h60
  text "Top Layer - Bottom Layer" at 3368.58,2705.94 h60
  text "Pad" at 4868.13,2705.94 h60
  text "(Mixed)" at 5457.98,2705.94 h60
  text "(Mixed)" at 6203.78,2705.94 h60
  text "-" at 10714.47,2705.94 h60
  text "-" at 11834.15,2705.94 h60
  text "114" at 449.38,2555.94 h60
  text "8.00mil (0.203mm)" at 1039.22,2555.94 h60
  text "PTH" at 2128.9,2555.94 h60
  text "Round" at 2634.78,2555.94 h60
  text "Top Layer - Bottom Layer" at 3368.58,2555.94 h60
  text "Via" at 4868.13,2555.94 h60
  text "Rounded" at 5457.98,2555.94 h60
  text "v41h20" at 6203.78,2555.94 h60
  text "-" at 10714.47,2555.94 h60
  text "-" at 11834.15,2555.94 h60
  text "120 Total" at 449.38,2405.94 h60
  text "Slot definitions :" at -56.5,2260.97 h60
  text "Routed Path Length" at 976.19,2260.97 h60
  text "= Calculated from tool start centre position to tool end centre position." at 2078.86,2260.97 h60
  text "Hole Length" at 976.19,2160.99 h60
  text "= Routed Path Length + Tool Size = Slot length as defined in the PCB layout" at 1668.99,2160.99 h60

## Dimensions
0,0 to -16,1891 on Mechanical 1
0,0 to 3107.16,75.34 on Mechanical 1

## Text inside footprints (layer, text, board x,y; h text height)
Designator30: Bottom Overlay "PCB  Check" at 567.75,1795.8 h60; Bottom Overlay "A" at 532.75,1720.14 h70; Bottom Overlay "B" at 418.83,1722.17 h70; Bottom Overlay "C" at 308.83,1722.94 h70; Bottom Overlay "D" at 198.83,1722.17 h70
P1: Top Overlay "1" at 2904,443 h30 r90
P2: Top Overlay "1" at 212,1780 h30 r270
P3: Top Overlay "1" at 207,1240 h30 r270
P4: Top Overlay "1" at 197,785 h30 r270